# Altium PCB vme64x6U_ctrlc.PcbDoc (part 17 of 18) (continued)
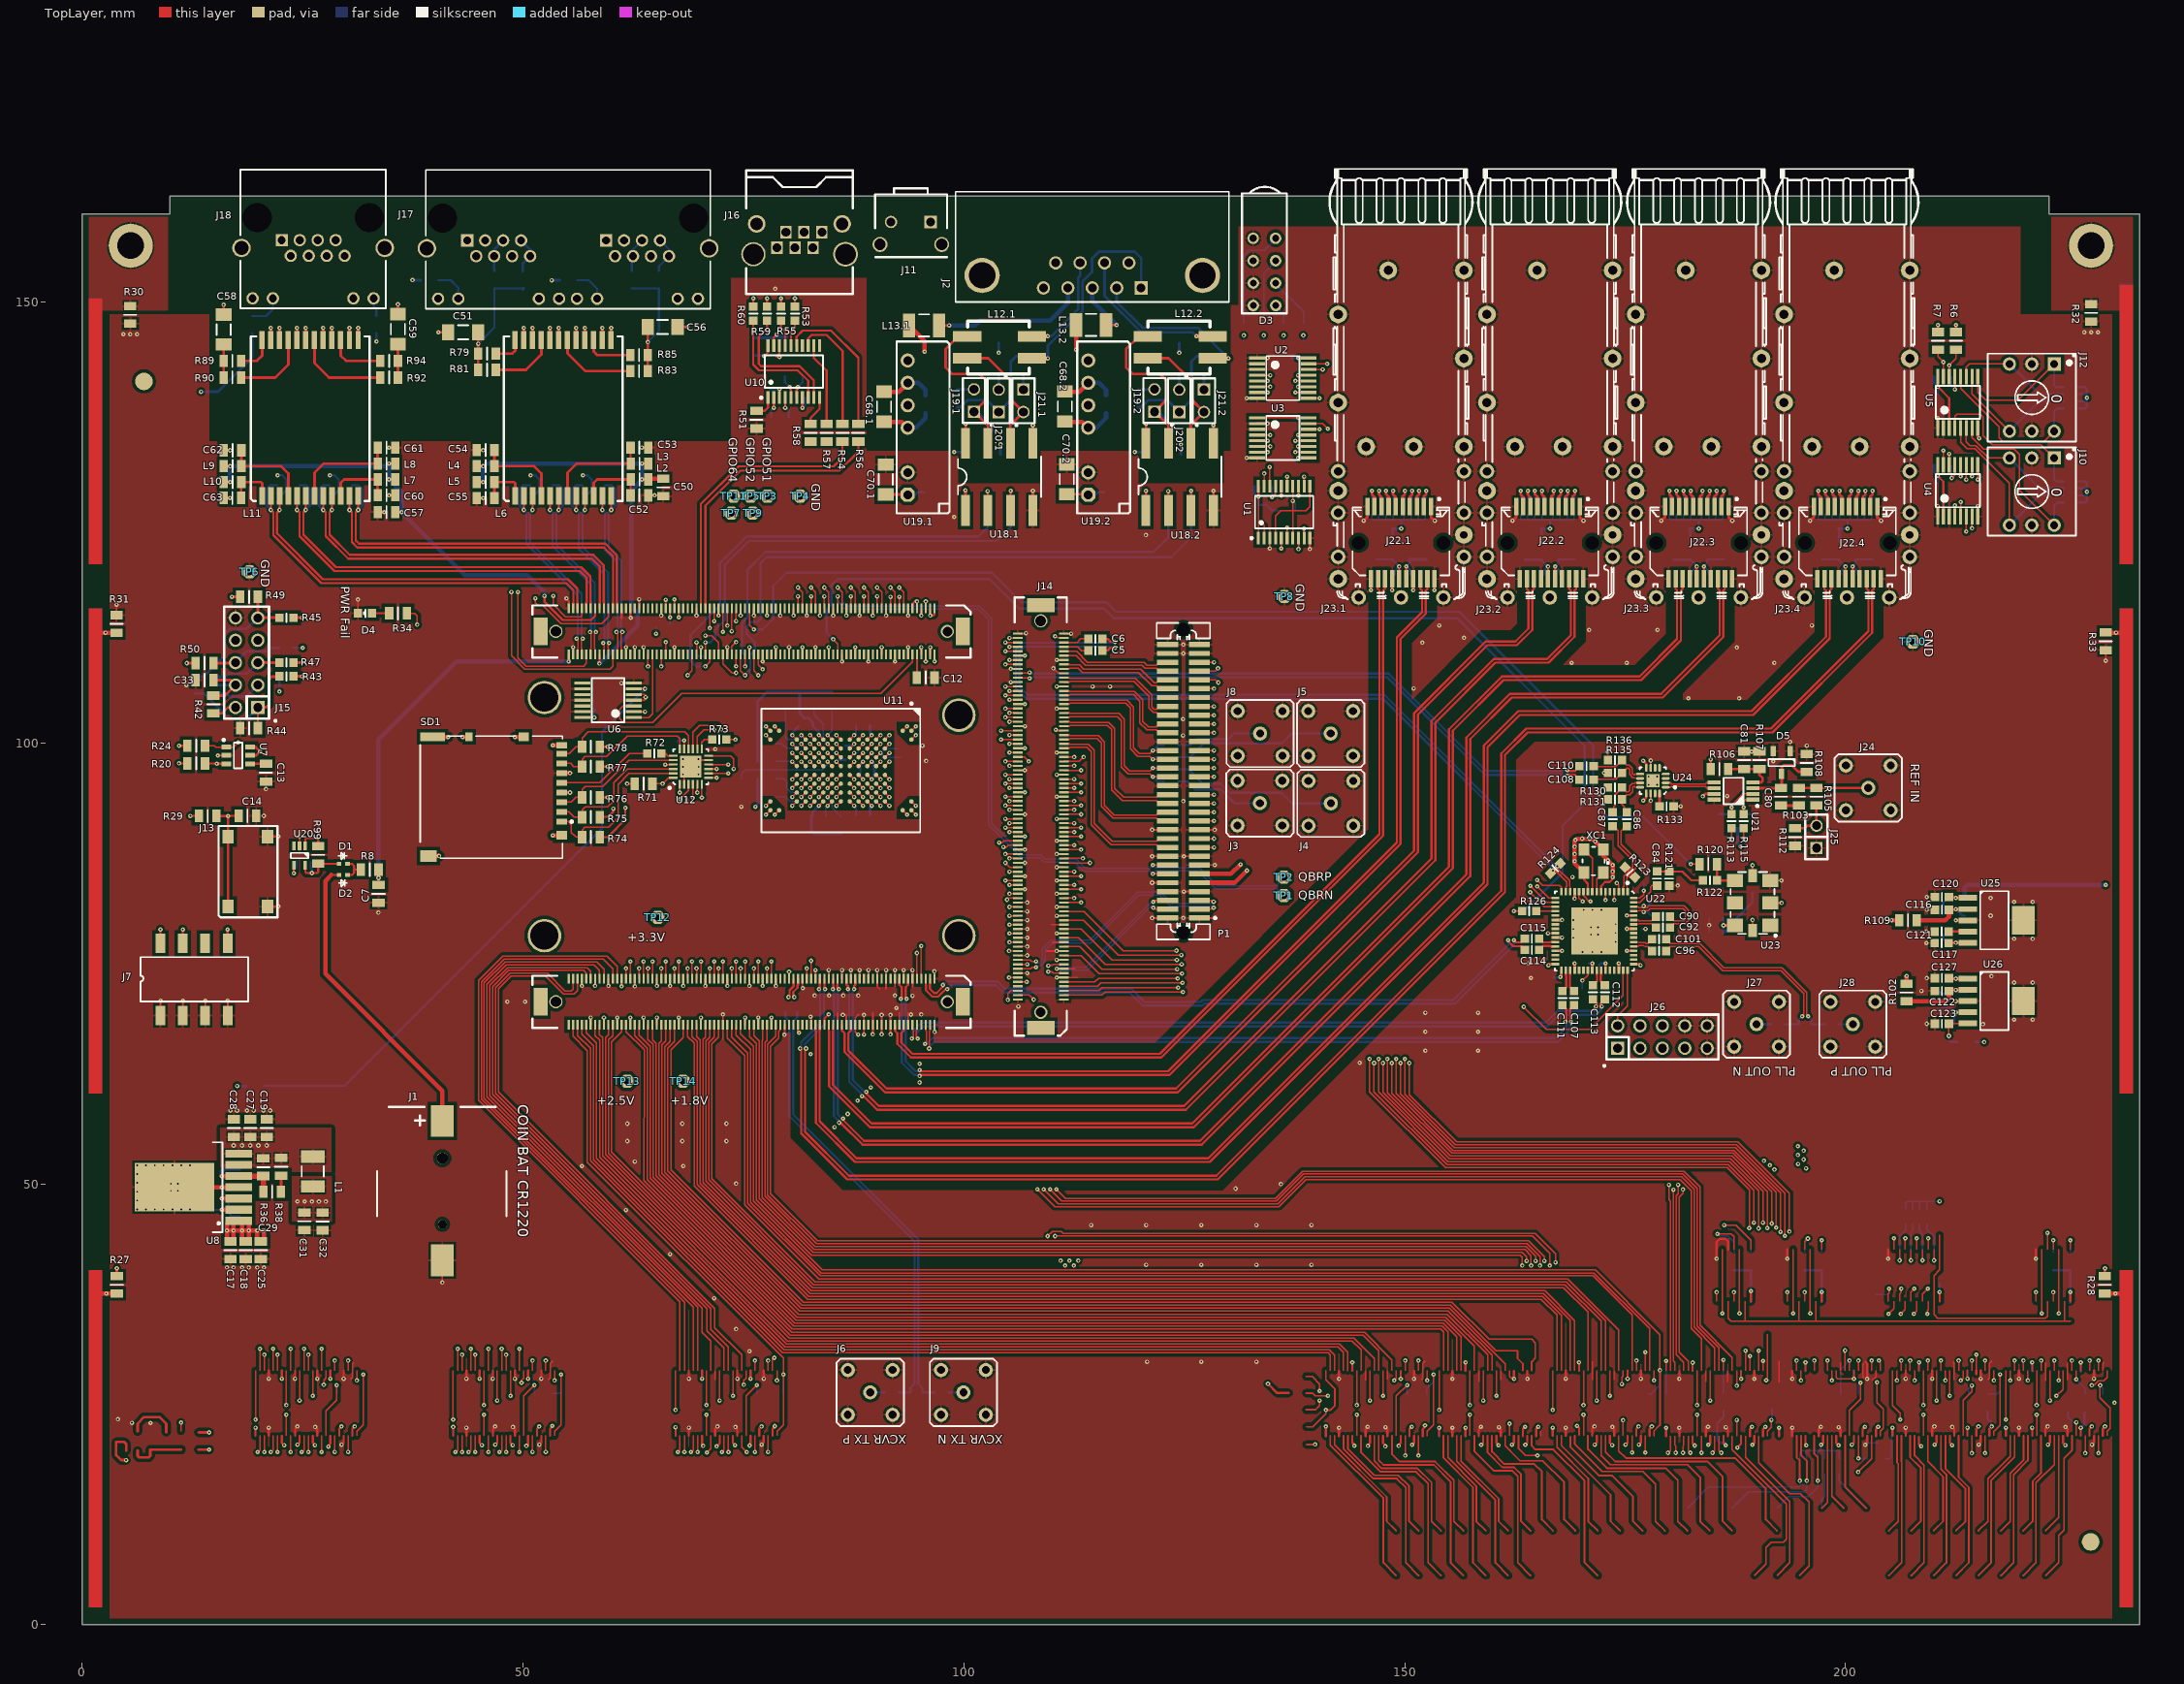
[diagram p0: TopLayer view]
## Nets (pads, with @x,y where several pads share a name; then routed paths per layer and width w, separated by ;. In a path a pad name is that pad's centre, name@x,y a point inside that pad or via, vN(x,y) a via of type N, cw(c..) or ccw(c..) an arc to the next point about the centre after c; other vN are vias at no path point) (continued)
ZDO_P: C90.1 U22.59 | length 2.7
  TopLayer w0.15: U22.59@175.975,79.925 176.475,79.925 176.562,79.838 178.013,79.838 C90.1@178.475,80.3
pads on no net: J1.0 J2.6 J2.9 J7.6 J14.0 J14.A102 J14.A114 J14.A115 J14.A116 J14.A118 J14.A122 J14.A127 J14.A128 J14.A129 J14.A131 J14.A133 J14.B8 J14.B167 J14.B168 J14.C8 J15.7 J15.8 J17.11A J17.11B J17.12A J17.12B J17.MH1 J17.MH2 J18.MH1 J18.MH2 J22.1.MTG1 J22.1.MTG2 J22.2.MTG1 J22.2.MTG2 J22.3.MTG1 J22.3.MTG2 J22.4.MTG1 J22.4.MTG2 P1.65 P1.66 U6.8 U6.10 U6.12 U10.11 U10.14 U13.5 U14.5 U15.5 U16.5 U19.1.5 U19.1.7 U19.2.5 U19.2.7 U20.3 U22.5 U23.1 U23.5 U24.3 U24.4 U24.5 U24.6 U24.15
copper on no net: | length 3257.1
  TopLayer w0.15: v1(19.9,19.575) 20.15,19.825 20.15,21.425 ; v1(20.65,19.575) 20.65,21.425 ; v1(21.4,19.575) 21.65,19.825 21.65,21.425 ; v1(22.15,19.575) 22.15,21.425 ; v1(23.65,19.575) 23.65,21.425 ; v1@24.65,25.45 24.65,28.825 ; v1(24.9,19.575) 25.15,19.825 25.15,21.425 ; v1(25.65,19.575) 25.65,21.425 ; v1(27.15,19.575) 27.15,21.425 ; v1(27.4,27.2) 27.4,27.725 27.65,27.975 27.65,28.825 ; v1(28.65,19.6) 28.65,21.425 ; v1(30.15,19.6) 30.15,21.425 ; v1(31.15,27.7) 31.15,28.825 ; v1(42.325,19.575) 42.575,19.825 42.575,21.425 ; v1(43.075,19.575) 43.075,21.425 ; v1(43.825,19.575) 44.075,19.825 44.075,21.425 ; v1(44.575,19.575) 44.575,21.425 ; v1(46.075,19.575) 46.075,21.425 ; v1@47.075,25.45 47.075,28.825 ; v1(47.325,19.575) 47.575,19.825 47.575,21.425 ; v1(48.075,19.575) 48.075,21.425 ; v1(49.575,19.575) 49.575,21.425 ; v1(49.825,27.45) 49.825,27.7 50.075,27.95 50.075,28.825 ; v1(51.075,19.6) 51.075,21.425 ; v1(52.575,19.6) 52.575,21.425 ; v1(53.575,27.7) 53.575,28.825 ; v1(67.55,19.575) 67.8,19.825 67.8,21.425 ; v1(68.3,19.575) 68.3,21.425 ; v1(69.05,19.575) 69.3,19.825 69.3,21.425 ; v1(69.8,19.575) 69.8,21.425 ; v1(70.85,19.525) 71.3,19.975 71.3,21.425 ; v1@72.3,25.45 72.3,28.825 ; v1(72.55,19.575) 72.8,19.825 72.8,21.425 ; v1(73.3,19.575) 73.3,21.425 ; 74.8,21.425 74.8,20.15 v1(75.375,19.575) ; v1(75.05,27.2) 75.05,27.7 75.3,27.95 75.3,28.825 ; v1(76.3,19.6) 76.3,21.425 ; v1(77.8,19.6) 77.8,21.425 ; v1(78.8,27.7) 78.8,28.825 ; v1@146.05,25.45 146.05,28.825 ; v1(148.8,27.7) 149.05,27.95 149.05,28.825 ; v1(150.05,19.175) 150.05,21.425 ; v1@151.55,19.15 v1(151.55,19.175) 151.55,21.425 ; v1(152.55,27.7) 152.55,28.825 ; v1@158.9,25.45 158.9,28.825 ; 161.4,21.425 161.4,20.275 161.975,19.7 ; v1@171.775,25.45 171.775,28.825 ; 174.275,19.7 174.275,21.425 ; v1(174.625,27.3) 174.625,28.05 174.775,28.2 174.775,28.825 ; v1(175.775,19.525) 175.775,21.425 ; v1(177.275,19.525) 177.275,21.425 ; v1(178.275,27.7) 178.275,28.825 ; v1@179.9,19.5 180.15,19.75 180.15,21.4 ; 180.65,21.4 180.65,20.375 180.725,20.3 v1(180.725,19.5) ; v1(181.55,19.5) 181.55,20.225 181.65,20.325 181.65,21.4 ; 182.15,21.4 182.15,19.75 v1(182.4,19.5) ; v1(183.65,19.5) 183.65,21.4 ; v1(184.65,25.425) 184.65,28.8 ; v1(184.9,19.5) 185.15,19.75 185.15,21.4 ; 185.65,21.4 185.65,19.75 v1(185.9,19.5) ; v1(186.025,35.3) 186.025,36.675 186.025,42.575 ; 186.675,36.675 186.675,34.75 187,34.425 188.675,34.425 ; 187.15,21.4 187.15,19.875 193.3,13.725 193.3,9.7 192.975,9.375 191.575,9.375 190.95,8.75 190.95,6.86 189.67,5.58 ; v1(187.65,27.1) 187.65,28.8 ; v1(187.975,35.3) 187.975,36.675 187.975,42.575 ; 188.625,36.675 188.625,34.475 188.675,34.425 ; 188.65,21.4 188.65,18.975 193.675,13.95 193.675,7.045 192.21,5.58 ; 190.15,21.4 190.15,18.4 193.675,14.875 194.875,14.875 195.85,13.9 195.85,6.68 194.75,5.58 ; v1(191,27.725) 191.15,27.875 191.15,28.8 191.15,32.925 ; v1(194.05,35.3) 194.05,36.675 194.05,42.575 ; 194.7,34.425 194.7,36.675 ; v1(194.8,16.325) v1@194.85,16.275 ; v1(196,35.3) 196,36.675 196,42.575 ; 196.65,34.425 196.65,36.675 ; 200.45,28.825 v1(200.45,29.95) ; v1(201.45,18.875) 201.45,21.425 ; v1(203.775,29.95) 203.95,29.775 203.95,28.825 ; 204.825,36.675 204.825,37.5 204.925,37.6 v1(204.925,38.1) ; v1(204.875,35.25) 205.475,35.85 205.475,36.675 ; 206.125,36.675 206.125,37.5 206.325,37.7 v1(206.325,38.1) ; v1(206.275,35.25) 206.775,35.75 206.775,36.675 ; 207.425,36.675 207.425,37.75 v1@207.775,38.1 ; v1@207.725,35.25 208.075,35.6 208.075,36.675 ; 208.725,36.675 208.725,37.5 v1(209.325,38.1) ; v1(209.275,35.25) 209.275,35.625 209.375,35.725 209.375,36.675 ; v1(210.325,25.425) 210.325,28.825 ; 210.675,44.2 210.675,42.575 210.675,40.25 210.025,39.6 210.025,36.675 210.025,35.175 210.455,34.745 222.645,34.745 222.9,35 222.9,36.675 ; v1(213.075,27.7) 213.325,27.95 213.325,28.825 ; v1(214.325,19.45) 214.325,21.425 ; v1(215.825,19.45) 215.825,21.425 ; v1(216.825,27.7) 216.825,28.825 ; v1(222.25,35.3) 222.25,36.675 222.25,42.575 ; v1(223.175,25.425) 223.175,28.825 ; v1(224.2,35.3) 224.2,36.675 224.2,42.575 ; 224.85,36.675 224.85,34.425 ; 225.525,34.425 224.85,34.425 ; v1(226.175,27.825) 226.175,28.825 ; v1(227.175,19.45) 227.175,21.425 ; v1(227.925,27.15) 228.175,27.15 228.71,27.685 229.31,27.685 229.675,28.05 229.675,28.825 ; v1(228.675,19.45) 228.675,21.425 ; v1(228.875,27.15) 228.875,25.725 230,24.6 230,22.275 229.675,21.95 229.675,21.425 ; 188.675,34.425 194.7,34.425 196.65,34.425 224.85,34.425
  TopLayer w0.2: 138.825,24.375 139.875,24.375 140.345,24.845 140.345,25.42 v1(140.35,25.42) ; 138.825,28.15 139.5,28.15 140.35,27.3 v1(140.35,26.5) ; 141.55,21.425 141.55,20.375 147.58,14.345 147.58,7.03 149.03,5.58 ; 142.05,21.425 142.05,20.405 147.955,14.5 147.955,11.735 149.03,10.66 ; 143.05,21.425 143.05,19.945 146.42,16.575 149.1,16.575 150.12,15.555 150.12,7.03 151.57,5.58 ; 143.55,21.425 143.55,19.975 146.575,16.95 149.255,16.95 150.495,15.71 150.495,11.735 151.57,10.66 ; 145.05,21.425 145.05,19.545 147.245,17.35 151.3,17.35 152.66,15.99 152.66,7.03 154.11,5.58 ; 146.55,21.425 146.55,18.575 147.4,17.725 151.455,17.725 153.035,16.145 153.035,11.735 154.11,10.66 ; 147.05,21.425 147.05,18.65 147.575,18.125 153.295,18.125 155.2,16.22 155.2,7.03 156.65,5.58 ; 148.55,21.425 148.55,19.35 149.4,18.5 153.45,18.5 155.575,16.375 155.575,11.735 156.65,10.66 ; 154.4,21.425 154.4,18.925 157.74,15.585 157.74,7.03 159.19,5.58 ; 154.9,21.425 154.9,18.955 158.115,15.74 158.115,11.735 159.19,10.66 ; 155.9,21.425 155.9,18.525 160.28,14.145 160.28,7.03 161.73,5.58 ; 156.4,21.425 156.4,18.55 160.655,14.295 160.655,11.735 161.73,10.66 ; 157.9,21.425 157.9,19.675 160.1,17.475 162.175,17.475 162.82,16.83 162.82,7.03 164.27,5.58 ; 159.4,21.425 159.4,19.525 161.075,17.85 162.4,17.85 163.195,17.055 163.195,11.735 164.27,10.66 ; 159.9,21.425 159.9,19.625 161.3,18.225 164.7,18.225 165.55,17.375 165.55,11.92 166.81,10.66 ; 161.975,19.7 163.075,18.6 165.65,18.6 168.09,16.16 168.09,11.92 169.35,10.66 ; 162.9,21.425 162.9,20.025 163.725,19.2 v1(165.05,19.2) ; 164.4,21.425 164.4,20.3 164.825,19.875 166.85,19.875 170.4,16.325 170.4,7.07 171.89,5.58 ; 167.275,21.425 167.275,20.125 170.815,16.585 170.815,11.735 171.89,10.66 ; 167.775,21.425 167.775,20.325 173.355,14.745 173.355,11.735 174.43,10.66 ; 168.775,21.35 168.775,20.175 172.025,16.925 173.475,16.925 175.895,14.505 175.895,11.735 176.97,10.66 ; 169.275,21.425 169.275,20.5 172.4,17.375 177.025,17.375 178.435,15.965 178.435,11.735 179.51,10.66 ; 170.775,21.425 170.775,19.9 172.925,17.75 179.6,17.75 180.975,16.375 180.975,11.735 182.05,10.66 ; 172.275,21.425 172.275,19.2 173.325,18.15 182.075,18.15 183.515,16.71 183.515,11.735 184.59,10.66 ; 172.775,21.425 172.775,19.6 173.85,18.525 184.325,18.525 186.055,16.795 186.055,11.735 187.13,10.66 ; 174.275,19.7 175.075,18.9 187.475,18.9 190.95,15.425 190.95,11.92 192.21,10.66 ; 194.45,21.425 194.45,19 194.8,18.65 v1(194.8,16.325) ; 194.95,21.425 194.95,19.25 195.6,18.6 v1(195.6,16.325) ; 196.45,21.425 196.45,19.375 196.85,18.975 v1(196.85,16.325) ; 197.29,13.2 197.95,13.86 197.95,21.425 ; 198.45,21.425 198.45,14.58 199.83,13.2 ; 199.95,21.425 199.95,15.62 202.37,13.2 ; v1(201.438,17.312) 202.95,18.825 202.95,21.425 ; 204.91,5.58 206.36,7.03 206.36,18.5 206.325,18.535 206.325,21.425 ; 204.91,10.66 205.985,11.735 205.985,18.24 205.825,18.4 205.825,21.425 ; 207.325,21.425 207.325,19 208.525,17.8 208.525,11.735 207.45,10.66 ; 207.45,5.58 208.9,7.03 208.9,18.1 207.825,19.175 207.825,21.425 ; 209.325,21.425 209.325,18.525 211.065,16.785 211.065,11.735 209.99,10.66 ; 209.99,5.58 211.44,7.03 211.44,17.035 210.825,17.65 210.825,21.425 ; 211.325,21.425 211.325,17.7 213.605,15.42 213.605,11.735 212.53,10.66 ; 212.53,5.58 213.98,7.03 213.98,15.57 212.825,16.725 212.825,21.425 ; 215.07,5.58 216.52,7.03 216.52,16.39 219.175,19.045 219.175,21.425 ; 215.07,10.66 216.145,11.735 216.145,16.545 218.675,19.075 218.675,21.425 ; 217.61,5.58 219.06,7.03 219.06,17.01 220.675,18.625 220.675,21.425 ; 217.61,10.66 218.685,11.735 218.685,17.165 220.175,18.655 220.175,21.425 ; 220.15,5.58 221.6,7.03 221.6,16.1 223.675,18.175 223.675,21.425 ; 220.15,10.66 221.225,11.735 221.225,16.255 222.175,17.205 222.175,21.425 ; 222.69,5.58 224.175,7.065 224.175,10.125 224.775,10.725 224.775,18.85 225.675,19.75 225.675,21.425 ; 222.69,10.66 224.175,12.145 224.175,21.425
  TopLayer w0.25: 29.15,21.425 29.15,22.225 v1(29.4,22.475) ; 51.575,21.425 51.575,22.225 v1(51.825,22.475) ; 76.8,21.425 76.8,22.225 v1(77.05,22.475) ; 150.55,21.4 150.55,22.2 v1(150.8,22.45) ; 163.4,21.4 163.4,22.2 v1(163.65,22.45) ; 176.275,21.425 176.275,22.225 v1(176.525,22.475) ; 189.15,21.4 189.15,22.2 v1(189.4,22.45) ; 201.95,21.4 201.95,22.2 v1(202.2,22.45) ; 214.825,21.425 214.825,22.225 v1(215.075,22.475) ; 227.675,21.425 227.675,22.225 v1(227.925,22.475)
  TopLayer w0.3: v1(4.985,18.665) 4.41,18.665 3.85,19.225 3.85,20.725 4.775,20.725 4.985,20.515 4.985,19.735 ; 6.285,19.735 6.285,19.14 6.45,18.975 7.55,18.975 7.725,19.15 7.725,19.85 7.735,19.86 11.21,19.86 ; 6.285,21.935 6.285,22.81 7.025,23.55 8.75,23.55 9.525,22.775 9.525,21.85 ; 13.21,19.86 v1(14.4,19.86) ; 13.21,21.81 v1(14.4,21.81)
  MidLayer3 w0.2: v1(24.65,25.425) v1(47.075,25.425) v1(72.3,25.425) ; v1(27.4,27.2) 27.4,27.05 27.945,26.505 31.15,26.505 49.85,26.505 53.6,26.505 76.8,26.505 78.875,26.505 ; v1(28.65,19.6) 31.35,16.9 144.9,16.9 147.8,14 147.8,9.35 149.03,8.12 ; v1(30.15,19.6) 32.45,17.3 145.925,17.3 148.475,14.75 149.325,14.75 150.34,13.735 150.34,9.35 151.57,8.12 ; 31.15,26.53 v1(31.15,27.7) ; v1(49.825,27.45) 49.825,26.555 49.85,26.53 ; v1(51.075,19.6) 53,17.675 147.25,17.675 149.425,15.5 151.2,15.5 152.88,13.82 152.88,9.35 154.11,8.12 ; v1(52.575,19.6) 54.1,18.075 148.3,18.075 150.475,15.9 153.52,15.9 155.42,14 155.42,9.35 156.65,8.12 ; v1(53.575,27.7) 53.575,26.555 53.6,26.53 ; 74.05,25.425 v1(72.3,25.425) ; 75.05,26.53 v1(75.05,27.2) ; v1(76.3,19.6) 77.45,18.45 149.375,18.45 151.55,16.275 155.685,16.275 157.96,14 157.96,9.35 159.19,8.12 ; v1(78.8,27.7) 78.8,26.605 78.875,26.53 78.875,26.505 ; 148.75,26.505 152.625,26.505 178.225,26.505 ; v1(148.8,27.7) 148.8,26.58 148.72,26.5 v1(140.35,26.5) 107.998,26.5 103.653,22.155 100.975,22.155 85.872,22.155 81.522,26.505 78.875,26.505 ; v1(150.05,19.175) 152.55,16.675 157.95,16.675 160.5,14.125 160.5,9.35 161.73,8.12 ; v1(151.55,19.175) 153.65,17.075 160.7,17.075 162.975,14.8 162.975,9.415 164.27,8.12 ; v1(152.55,27.7) 152.55,26.605 152.625,26.53 ; v1(165.05,19.2) 168.1,16.15 168.1,6.83 169.35,5.58 ; 166.81,5.58 167.965,4.425 172.5,4.425 173.175,5.1 173.175,14.075 174.925,15.825 178.125,15.825 179.85,17.55 v1(179.85,19.5) ; 174.43,5.58 175.675,6.825 175.675,14.175 176.85,15.35 178.875,15.35 180.725,17.2 v1(180.725,19.5) ; v1(174.625,27.3) 174.625,28.3 174.95,28.625 178.3,28.625 179.825,27.1 v1(187.65,27.1) 190.375,27.1 v1(191,27.725) ; 176.97,8.12 178.2,9.35 178.2,13.975 181.55,17.325 v1(181.55,19.5) ; v1(178.275,27.7) 178.275,26.555 178.225,26.505 ; 179.51,8.12 180.725,9.335 180.725,15.7 182.4,17.375 v1(182.4,19.5) ; 182.05,8.12 183.425,9.495 183.425,19.275 v1(183.65,19.5) ; 184.59,8.12 185.9,9.43 185.9,16.3 184.9,17.3 v1(184.9,19.5) ; v1(185.9,19.5) 185.9,17.025 188.4,14.525 188.4,11.93 189.67,10.66 ; 194.75,10.66 196.075,11.985 196.075,14.275 200.675,18.875 v1(201.45,18.875) ; 197.29,3.04 198.775,4.525 198.775,14.075 199.975,15.275 213.775,15.275 214.325,15.825 v1(214.325,19.45) ; 197.29,10.66 198.4,11.77 198.4,14.275 v1(201.438,17.312) ; 199.83,5.58 201.175,6.925 216,6.925 216.35,7.275 216.35,14.35 218.4,16.4 225.275,16.4 227.175,18.3 v1(227.175,19.45) ; 199.83,10.66 201.125,11.955 201.125,14.025 201.975,14.875 214.625,14.875 215.825,16.075 v1(215.825,19.45) ; v1(203.775,29.95) 204.25,29.475 204.25,26.505 ; v1(213.075,27.7) 213.075,26.505 ; v1(216.825,27.7) 216.825,26.505 ; 217.61,8.12 218.925,9.435 218.925,14.475 220.45,16 226.1,16 228.675,18.575 v1(228.675,19.45) ; v1(223.175,25.425) v1(210.325,25.425) v1(184.65,25.425) v1(171.775,25.425) v1(158.9,25.425) v1(146.05,25.425) 146.045,25.42 v1(140.35,25.42) 108.445,25.42 104.1,21.075 85.425,21.075 81.075,25.425 v1(72.3,25.425) ; v1(227.925,27.15) 227.28,26.505 216.825,26.505 ; 178.225,26.505 203.7,26.505 204.25,26.505 ; 204.25,26.505 213.075,26.505 ; 213.075,26.505 216.825,26.505
  MidLayer4 w0.15: 15.68,8.12 16.765,9.205 16.765,14.518 19.9,17.653 v1(19.9,19.575) ; 18.22,8.12 17.085,9.255 17.085,14.385 20.65,17.95 v1(20.65,19.575) ; 20.76,8.12 21.845,9.205 21.845,17.47 21.4,17.915 v1(21.4,19.575) ; v1(22.15,19.575) 22.15,17.618 22.165,17.603 22.165,9.255 23.3,8.12 ; v1(23.65,19.575) 23.65,18.815 26.925,15.54 26.925,9.205 25.84,8.12 ; v1(24.9,19.575) 24.9,18.018 27.245,15.673 27.245,9.255 28.38,8.12 ; v1(25.65,19.575) 25.65,18.5 28.825,15.325 31.655,15.325 32.005,14.975 32.005,9.205 30.92,8.12 ; v1(27.15,19.575) 27.15,17.525 29,15.675 31.758,15.675 32.325,15.108 32.325,9.255 33.46,8.12 ; 38.54,8.12 39.625,9.205 39.625,15.928 42.325,18.628 v1(42.325,19.575) ; 41.08,8.12 39.945,9.255 39.945,15.795 43.075,18.925 v1(43.075,19.575) ; 43.62,8.12 44.705,9.205 44.705,17.47 43.825,18.35 v1(43.825,19.575) ; v1(44.575,19.575) 44.575,18.053 45.025,17.603 45.025,9.255 46.16,8.12 ; v1(46.075,19.575) 46.075,19.25 49.785,15.54 49.785,9.205 48.7,8.12 ; v1(47.325,19.575) 47.325,18.453 50.105,15.673 50.105,9.255 51.24,8.12 ; v1(48.075,19.575) 48.075,18.5 51.2,15.375 54.465,15.375 54.865,14.975 54.865,9.205 53.78,8.12 ; v1(49.575,19.575) 49.575,17.453 51.333,15.695 54.598,15.695 55.185,15.108 55.185,9.255 56.32,8.12 ; 63.94,8.12 65.025,9.205 65.025,15.635 67.55,18.16 v1(67.55,19.575) ; 66.48,8.12 65.345,9.255 65.345,15.305 68.3,18.26 v1(68.3,19.575) ; 69.02,8.12 70.105,9.205 70.105,16.5 69.05,17.555 v1(69.05,19.575) ; v1(69.8,19.575) 69.8,17.555 70.425,16.93 70.425,9.255 71.56,8.12 ; v1(70.85,19.525) 70.85,18.655 75.185,14.32 75.185,9.205 74.1,8.12 ; v1(72.55,19.575) 72.55,17.555 75.505,14.6 75.505,9.255 76.64,8.12 ; v1(73.3,19.575) 74.58,18.295 76.16,18.295 80.265,14.19 80.265,9.205 79.18,8.12 ; v1@75.354,19.554 80.585,14.323 80.585,9.255 81.72,8.12 ; v1(77.8,19.6) 79.38,19.6 83.01,15.97 83.01,9.37 84.26,8.12 ; 192.21,8.12 193.425,9.335 193.425,14.375 193.275,14.525 193.275,32.025 194.05,32.8 v1(194.05,35.3) ; 194.75,8.12 196.25,9.62 196.25,22.825 196.975,23.55 196.975,31.325 196,32.3 v1(196,35.3) ; 197.29,8.12 198.545,9.375 200.225,9.375 200.95,10.1 200.95,14.7 203.025,16.775 203.025,23.125 204.365,24.465 204.365,32.624 204.875,33.134 v1(204.875,35.25) ; 199.83,8.12 201.35,9.64 201.35,14.425 204.405,17.48 204.405,24.052 204.685,24.332 204.685,32.491 205.625,33.431 205.625,37.4 v1(204.925,38.1) ; 202.37,8.12 203.425,9.175 203.425,15.85 204.725,17.15 204.725,23.92 205.005,24.2 205.005,32.339 206.275,33.609 v1(206.275,35.25) ; 204.91,8.12 203.875,9.155 203.875,15.775 205.9,17.8 205.9,22.65 205.325,23.225 205.325,32.206 206.775,33.656 206.775,37.65 v1(206.325,38.1) ; 207.45,8.12 206.375,9.195 206.375,13.75 207.575,14.95 207.575,23.9 206.325,25.15 206.325,28.475 205.65,29.15 205.65,32.05 207.75,34.15 v1(207.75,35.25) ; v1(207.8,38.1) 208.3,37.6 208.3,34.2 206.82,32.72 206.82,29.13 207.325,28.625 207.325,27.2 207.95,26.575 207.95,14.9 208.725,14.125 208.725,9.385 209.99,8.12 ; v1(209.275,35.25) 209.275,34.7 207.83,33.255 207.83,29.17 208.325,28.675 208.325,21.625 209.125,20.825 209.125,16.45 211.175,14.4 211.175,9.475 212.53,8.12 ; v1(209.325,38.1) 209.825,37.6 209.825,34.7 208.82,33.695 208.82,29.23 209.325,28.725 209.325,21.6 209.45,21.475 209.45,16.585 211.5,14.535 211.5,9.91 212.03,9.38 213.81,9.38 215.07,8.12 ; 220.15,8.12 221.625,9.595 221.625,15.025 222.4,15.8 222.4,25.975 222.75,26.325 222.75,31.175 222.25,31.675 v1(222.25,35.3) ; 222.69,8.12 224.175,9.605 224.175,23.275 224.7,23.8 224.7,31.25 224.2,31.75 v1(224.2,35.3)
  MidLayer4 w0.2: v1(175.775,19.525) 175.775,18.8 180.825,13.75 180.825,6.895 179.51,5.58 ; v1(177.275,19.525) 177.275,18.2 180.85,14.625 182.7,14.625 183.25,14.075 183.25,6.92 184.59,5.58 ; v1(186.025,35.3) 187.475,33.85 187.475,30.725 188.675,29.525 188.675,25.025 188.255,24.605 188.255,9.245 187.13,8.12 ; v1(187.975,35.3) 187.975,30.75 189.075,29.65 189.075,24.9 188.625,24.45 188.625,9.165 189.67,8.12
  BottomLayer w0.15: 182.05,13.2 184.45,15.6 194.6,15.6 194.8,15.8 v1(194.8,16.325) 194.8,17.125 ; 187.13,13.2 189.005,15.075 195.375,15.075 195.6,15.3 v1(195.6,16.325) 195.6,17.125 ; 192.21,13.2 193.51,14.5 195.75,14.5 196.85,15.6 v1(196.85,16.325) 196.85,17.125 ; 197.29,13.2 197.29,14.215 197.65,14.575 197.65,16.325 197.65,17.125 ; 198.45,17.125 198.45,14.58 199.83,13.2 ; 199.25,17.125 199.25,16.32 202.37,13.2 ; 199.425,26.125 199.425,28.925 v1(200.45,29.95) ; 203.375,37.475 204.825,37.475 ; v1(226.175,27.825) 227.225,26.775 227.225,26.125 ; v1@228.875,27.12 229.175,26.82 229.175,26.125
  BottomLayer w0.2: v1(201.45,18.875) 201.5,18.825 202.5,18.825

## Polygon pours and split planes (outlines as drawn)
GND on BottomLayer "GND_BOT" (solid, remove dead copper, pour order 52): 230.225,158.575 9.725,158.575 9.725,149.05 3.125,149.05 3.125,0.725 230.225,0.725
VD_TMP on BottomLayer "VD_TMP_BOT" (solid, pour order 46): 15.675,56.325 27.6,56.325 27.6,51.25 24.425,51.25 24.425,53.4 15.675,53.4
+3.3VD on BottomLayer "LMZ_3VD3_BOT" (solid, pour order 50): 23.8,47.25 28.3,47.25 28.3,50.725 23.8,50.725
MGND on BottomLayer "BOT_SLD_RIGHT" (solid, remove dead copper, pour order 42): 232.575,159.675 222.9,159.675 222.9,149.25 232.575,149.25
MGND on BottomLayer "BOT_SLD_LEFT" (solid, remove dead copper, pour order 40): 0.775,159.675 9.7,159.675 9.7,149.05 0.775,149.05
GND on TopLayer "GND_TOP" (solid, remove dead copper, pour order 58): 230.225,158.575 9.725,158.575 9.725,149.05 3.125,149.05 3.125,0.7 230.225,0.7
+3.3VD on TopLayer "LMZ_3VD3_TOP" (solid, pour order 48): 23.8,45.75 28.3,45.75 28.3,50.875 23.8,50.875
VD_TMP on TopLayer "VD_TMP" (solid, pour order 30): 15.66,51.86 15.66,56.335 17.293,56.335 28.275,56.335 28.275,51.375 23.8,51.375 23.8,51.86
MGND on TopLayer "TOP_SLD_RIGHT" (solid, remove dead copper, pour order 44): 232.6,159.675 223.35,159.675 223.35,149.05 232.6,149.05
MGND on TopLayer "TOP_SLD_LEFT" (solid, remove dead copper, pour order 38): 0.75,159.675 9.725,159.675 9.725,149.05 0.75,149.05
GND on MidLayer4 "GND_MID4" (solid, remove dead copper, pour order 56): 230.225,158.575 9.725,158.575 9.725,149.05 3.125,149.05 3.125,0.725 230.225,0.725
GND on MidLayer3 "GND_MID3" (solid, remove dead copper, pour order 54): 230.225,158.575 9.725,158.575 9.725,149.05 3.125,149.05 3.125,0.725 230.225,0.725
GND on PlaneGnd (split plane): 219.748,149.05 219.755,148.998 219.775,148.949 219.807,148.907 219.849,148.875 219.898,148.855 219.95,148.848 231.1,148.848 231.1,39.4 232.84,39.4 232.84,0.51 0.51,0.51 0.51,39.4 2.25,39.4 2.25,148.923 14.198,148.923 14.198,143.3 14.205,143.248 14.225,143.199 14.257,143.157 14.299,143.125 14.348,143.105 14.4,143.098 73.6,143.098 73.652,143.105 73.701,143.125 73.743,143.157 73.775,143.199 73.795,143.248 73.802,143.3 73.802,152.548 88.698,152.548 88.698,149.65 88.698,133.05 88.698,132.275 88.705,132.223 88.725,132.174 88.757,132.132 88.799,132.1 88.848,132.08 88.9,132.073 98.9,132.073 98.9,129.75 108.925,129.75 108.925,132.073 119.375,132.073 119.375,129.75 129.4,129.75 129.4,132.073 130.15,132.073 130.202,132.08 130.251,132.1 130.293,132.132 130.325,132.174 130.345,132.223 130.352,132.275 130.352,149.448 131.175,149.448 131.227,149.455 131.276,149.475 131.318,149.507 131.35,149.549 131.37,149.598 131.377,149.65 131.377,158.373 219.748,158.373
CAN_GND_U_can_phy1 on PlaneGnd (split plane): 109.348,132.477 108.925,132.477 108.925,133 98.9,133 98.9,132.477 89.102,132.477 89.102,145.2 109.348,145.2
MGND on PlaneGnd (split plane): 222.59,160 222.599,159.9 222.628,159.805 222.676,159.716 222.739,159.639 222.816,159.576 222.905,159.528 223,159.499 223.1,159.49 232.84,159.49 232.84,149.252 220.152,149.252 220.152,158.575 220.145,158.627 220.125,158.676 220.093,158.718 220.051,158.75 220.002,158.77 219.95,158.777 131.175,158.777 131.123,158.77 131.074,158.75 131.032,158.718 131,158.676 130.98,158.627 130.973,158.575 130.973,149.852 130.246,149.852 130.202,149.87 130.15,149.877 130.098,149.87 130.054,149.852 121.4,149.852 121.4,155.5 110.475,155.5 110.475,149.852 89.102,149.852 89.102,152.75 89.095,152.802 89.075,152.851 89.043,152.893 89.001,152.925 88.952,152.945 88.9,152.952 73.6,152.952 73.548,152.945 73.499,152.925 73.457,152.893 73.425,152.851 73.405,152.802 73.398,152.75 73.398,143.502 14.602,143.502 14.602,149.125 14.595,149.177 14.575,149.226 14.543,149.268 14.501,149.3 14.452,149.32 14.4,149.327 0.51,149.327 0.51,159.49 9.95,159.49 10.05,159.499 10.145,159.528 10.234,159.576 10.311,159.639 10.374,159.716 10.422,159.805 10.451,159.9 10.46,160 10.46,161.49 222.59,161.49
XGND on PlaneGnd (split plane): 173.946,86.971 173.946,84.179 173.771,84.004 171.154,84.004 168.854,86.304 168.854,89.521 171.396,89.521
CAN_GND_U_can_phy2 on PlaneGnd (split plane): 129.948,132.477 129.4,132.477 129.4,133 119.375,133 119.375,132.477 109.752,132.477 109.752,145.2 129.948,145.2
GEPAD on PlaneGnd (split plane): 178.921,94.929 177.354,94.929 177.354,96.496 178.921,96.496
no net on PlanePwr (split plane): 5.848,17.725 5.848,14.45 5.855,14.398 5.875,14.349 5.907,14.307 5.949,14.275 5.998,14.255 6.05,14.248 8.875,14.248 8.927,14.255 8.976,14.275 9.018,14.307 9.05,14.349 9.07,14.398 9.077,14.45 9.077,15.298 224.573,15.298 224.573,12.127 222.509,12.127 221.777,12.859 221.777,14.475 221.77,14.527 221.75,14.576 221.718,14.618 221.676,14.65 221.627,14.67 221.575,14.677 145.175,14.677 145.123,14.67 145.074,14.65 145.032,14.618 145,14.576 144.98,14.527 144.973,14.475 144.973,12.984 144.241,12.252 142.302,12.252 142.302,14.4 142.295,14.452 142.275,14.501 142.243,14.543 142.201,14.575 142.152,14.595 142.1,14.602 11.775,14.602 11.723,14.595 11.674,14.575 11.632,14.543 11.6,14.501 11.58,14.452 11.573,14.4 11.573,12.884 10.866,12.177 4.252,12.177 4.252,19.698 5.848,19.698
+5VME on PlanePwr (split plane): 117.073,123.6 117.08,123.548 117.1,123.499 117.132,123.457 117.174,123.425 117.223,123.405 117.275,123.398 231.1,123.398 231.1,39.4 232.84,39.4 232.84,0.51 0.51,0.51 0.51,39.4 2.25,39.4 2.25,45.573 21.698,45.573 21.698,42.352 4.05,42.352 3.998,42.345 3.949,42.325 3.907,42.293 3.875,42.251 3.855,42.202 3.848,42.15 3.848,19.9 3.848,11.975 3.855,11.923 3.875,11.874 3.907,11.832 3.949,11.8 3.998,11.78 4.05,11.773 10.95,11.773 11.002,11.78 11.051,11.8 11.093,11.832 11.918,12.657 11.95,12.699 11.958,12.719 11.97,12.748 11.977,12.8 11.977,14.198 141.898,14.198 141.898,12.05 141.905,11.998 141.925,11.949 141.957,11.907 141.999,11.875 142.048,11.855 142.1,11.848 144.325,11.848 144.377,11.855 144.426,11.875 144.468,11.907 145.318,12.757 145.35,12.799 145.37,12.848 145.377,12.9 145.377,14.273 221.373,14.273 221.373,12.775 221.38,12.723 221.4,12.674 221.432,12.632 222.282,11.782 222.306,11.764 222.324,11.75 222.373,11.73 222.425,11.723 224.775,11.723 224.827,11.73 224.876,11.75 224.918,11.782 224.95,11.824 224.97,11.873 224.977,11.925 224.977,15.298 230.225,15.298 230.277,15.305 230.326,15.325 230.368,15.357 230.4,15.399 230.42,15.448 230.427,15.5 230.427,34.2 230.42,34.252 230.4,34.301 230.368,34.343 230.326,34.375 230.277,34.395 230.225,34.402 228.702,34.402 228.702,116.5 228.695,116.552 228.675,116.601 228.643,116.643 228.601,116.675 228.552,116.695 228.5,116.702 98.125,116.702 98.073,116.695 98.024,116.675 97.982,116.643 97.95,116.601 97.93,116.552 97.923,116.5 97.923,108.677 93.877,108.677 93.877,125.85 93.87,125.902 93.85,125.951 93.818,125.993 93.776,126.025 93.727,126.045 93.675,126.052 91.302,126.052 91.302,130.398 95.998,130.398 95.998,123.875 96.005,123.823 96.025,123.774 96.057,123.732 96.099,123.7 96.148,123.68 96.2,123.673 111.15,123.673 111.202,123.68 111.251,123.7 111.293,123.732 111.325,123.774 111.345,123.823 111.352,123.875 111.352,130.448 117.073,130.448
+2V5MOD on PlanePwr (split plane): 462 vertices, not listed, extent 45.902,60.227 177.398,117.423
no net on PlanePwr (split plane): 173 vertices, not listed, extent 12.377,19.127 228.498,23.023
+3.3VD on PlanePwr (split plane): 374 vertices, not listed, extent 2.25,14.652 231.1,158.55
+1V8MOD on PlanePwr (split plane): 85.323,65.552 71.95,65.552 71.898,65.545 71.849,65.525 71.807,65.493 71.775,65.451 71.755,65.402 71.748,65.35 71.748,60.202 63.877,60.202 63.877,69.348 66.248,69.348 66.248,68.85 66.255,68.798 66.275,68.749 66.307,68.707 66.349,68.675 66.398,68.655 66.45,68.648 68.875,68.648 68.927,68.655 68.976,68.675 69.018,68.707 69.05,68.749 69.07,68.798 69.077,68.85 69.077,69.348 71.223,69.348 71.223,68.85 71.23,68.798 71.25,68.749 71.282,68.707 71.324,68.675 71.373,68.655 71.425,68.648 73.973,68.648 73.973,68.1 73.98,68.048 74,67.999 74.032,67.957 74.074,67.925 74.123,67.905 74.175,67.898 76.675,67.898 76.727,67.905 76.776,67.925 76.818,67.957 76.85,67.999 76.87,68.048 76.877,68.1 76.877,69.523 79.373,69.523 79.373,66.4 79.38,66.348 79.4,66.299 79.432,66.257 79.474,66.225 79.523,66.205 79.575,66.198 82.6,66.198 82.652,66.205 82.701,66.225 82.743,66.257 82.775,66.299 82.795,66.348 82.802,66.4 82.802,69.673 85.323,69.673
1V8DPLL on PlanePwr (split plane): 178.523,74.525 178.53,74.473 178.55,74.424 178.582,74.382 178.624,74.35 178.673,74.33 178.725,74.323 211.398,74.323 211.398,72.725 211.398,70.927 208.802,70.927 208.802,71.95 208.795,72.002 208.775,72.051 208.743,72.093 208.701,72.125 208.652,72.145 208.6,72.152 180.3,72.152 180.248,72.145 180.199,72.125 180.157,72.093 180.125,72.051 180.105,72.002 180.098,71.95 180.098,70.352 162.302,70.352 162.302,78.223 166.923,78.223 166.923,74.302 166.4,74.302 166.348,74.295 166.299,74.275 166.257,74.243 166.225,74.201 166.205,74.152 166.198,74.1 166.198,72.6 166.205,72.548 166.225,72.499 166.257,72.457 166.299,72.425 166.348,72.405 166.4,72.398 169.05,72.398 169.102,72.405 169.151,72.425 169.193,72.457 169.225,72.499 169.245,72.548 169.252,72.6 169.252,73.548 173.6,73.548 173.652,73.555 173.701,73.575 173.743,73.607 173.775,73.649 173.795,73.698 173.802,73.75 173.802,75.523 175.298,75.523 175.298,73.8 175.305,73.748 175.325,73.699 175.357,73.657 175.399,73.625 175.448,73.605 175.5,73.598 177.6,73.598 177.652,73.605 177.701,73.625 177.743,73.657 177.775,73.699 177.795,73.748 177.802,73.8 177.802,76.1 177.795,76.152 177.775,76.201 177.743,76.243 177.701,76.275 177.652,76.295 177.6,76.302 177.51,76.302 177.51,79.675 177.504,79.727 177.483,79.776 177.451,79.818 177.41,79.85 177.361,79.87 177.309,79.877 173.852,79.877 173.852,80.925 173.852,82.023 178.523,82.023
+3V3MOD on PlanePwr (split plane): 259 vertices, not listed, extent 51.802,67.327 111.348,115.098
+5V_CAN_U_can_phy1 on PlanePwr (split plane): 109.298,133.277 89.102,133.277 89.102,145.198 109.298,145.198
3V3DPLL on PlanePwr (split plane): 180.623,77.625 180.63,77.573 180.65,77.524 180.682,77.482 180.724,77.45 180.773,77.43 180.825,77.423 201.125,77.423 201.177,77.43 201.226,77.45 201.268,77.482 201.3,77.524 201.32,77.573 201.327,77.625 201.327,81.598 206.898,81.598 206.898,74.727 178.927,74.727 178.927,82.225 178.92,82.277 178.9,82.326 178.868,82.368 178.826,82.4 178.777,82.42 178.725,82.427 173.65,82.427 173.598,82.42 173.549,82.4 173.507,82.368 173.475,82.326 173.455,82.277 173.448,82.225 173.448,81.127 167.277,81.127 167.277,83.898 180.623,83.898
+5V_CAN_U_can_phy2 on PlanePwr (split plane): 129.973,133.277 109.702,133.277 109.702,145.198 129.973,145.198